# Altium PCB DevKITV3.PcbDoc (part 1 of 5) (continued)
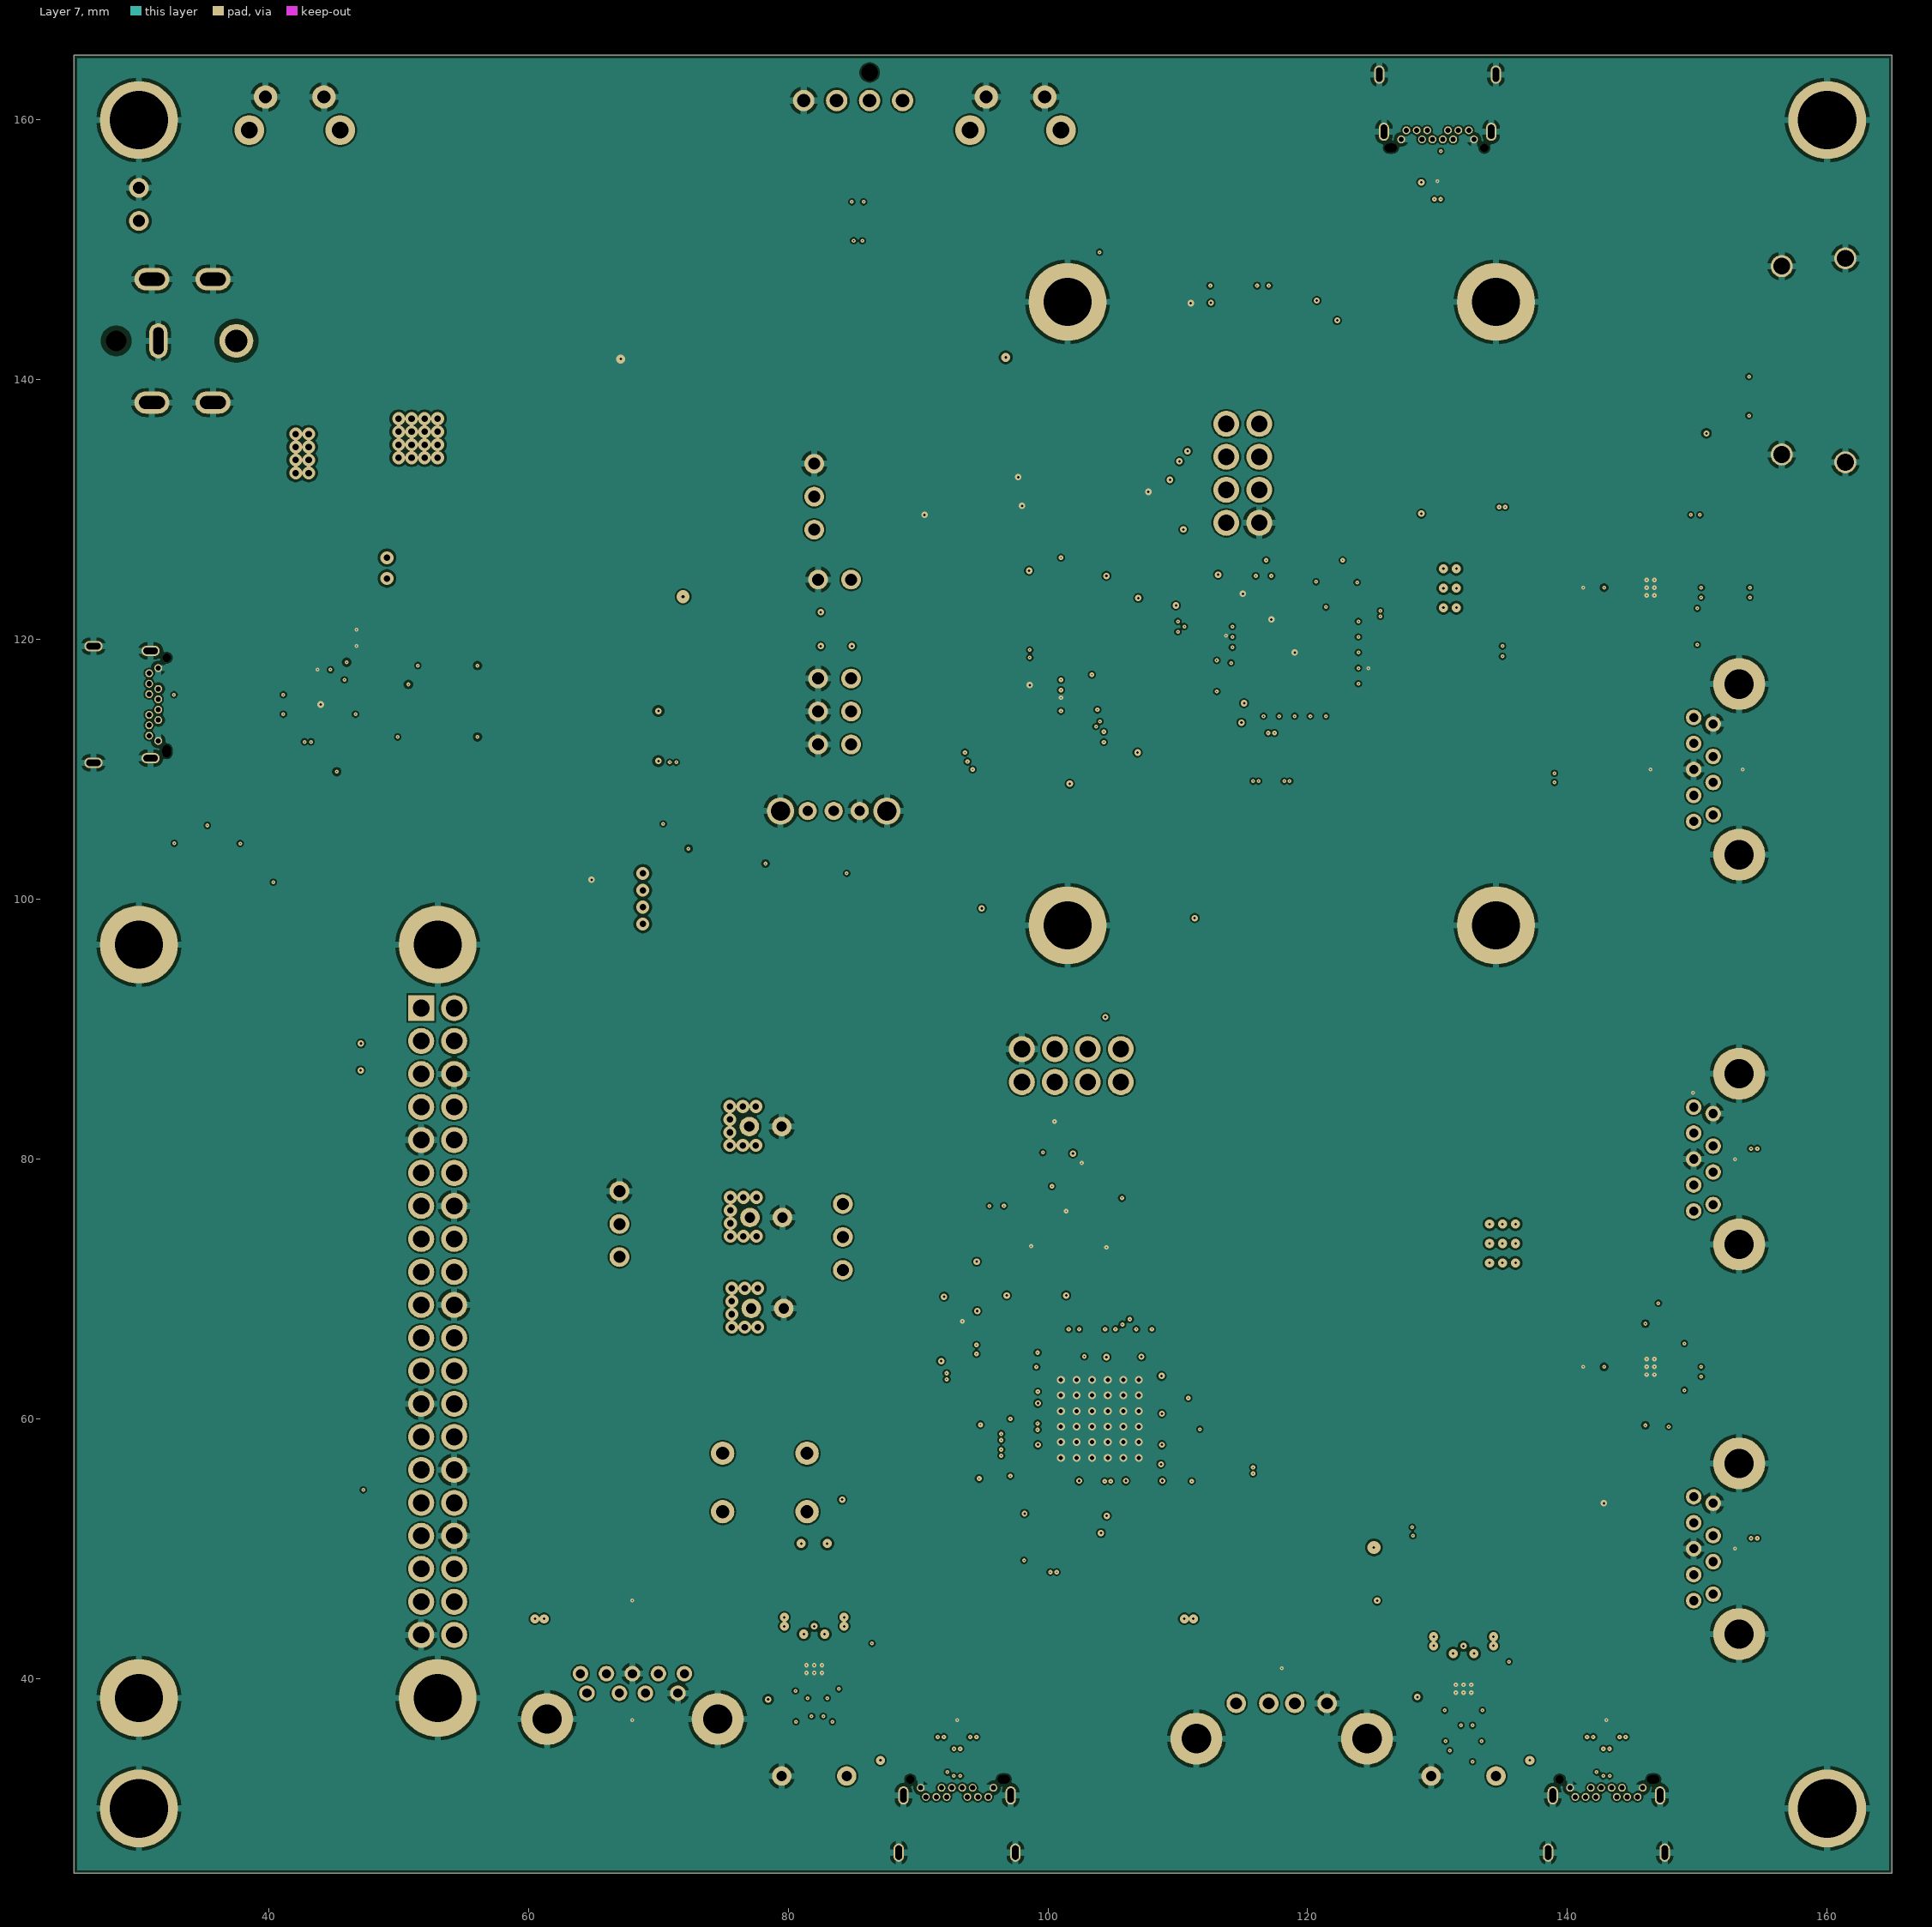
[diagram p7: Layer 7]

## Layer stack, top to bottom
Top Solder: solder mask 0.0102, Solder Resist, Dk 3.5
Top Layer: signal copper 0.035
Dielectric 1: prepreg 0.1168, PP-016, Dk 4.4
Layer 2: signal copper 0.035
Dielectric 2: prepreg 0.1168, PP-016, Dk 4.4
Layer 3: signal copper 0.035
Dielectric 3.1: prepreg 0.1803, PP-021, Dk 4.7
Dielectric 3.2: prepreg 0.0711, PP-006, Dk 4.1
Layer 4: signal copper 0.035
Dielectric 4: core 0.2286, Core-027, Dk 4.5
Layer 5: signal copper 0.035
Dielectric 5.1: prepreg 0.0711, PP-006, Dk 4.1
Dielectric 5.2: prepreg 0.1803, PP-021, Dk 4.7
Layer 6: signal copper 0.035
Dielectric 6: prepreg 0.1168, PP-016, Dk 4.4
Layer 7: signal copper 0.035
Dielectric 7: prepreg 0.1168, PP-016, Dk 4.4
Bottom Layer: signal copper 0.035
Bottom Solder: solder mask 0.0102, Solder Resist, Dk 3.5

## Board outline
25,25 165,25 165,165 25,165

## Design rules (kind name [scope] priority, off if disabled: settings)
BoardOutlineClearance BoardOutlineClearanceText [OnLayer('Top Overlay')   or        OnLayer('Bottom Overlay')] p1: gap=0 ignorepadtopadclearanceinfootprint=FALSE
BoardOutlineClearance [All] p2: gap=0.254 ignorepadtopadclearanceinfootprint=FALSE
Clearance Clearance_NPTH [Hole  and InComponent('J101')] p1: gap=0.381 ignorepadtopadclearanceinfootprint=FALSE
Clearance Clearance_DiffPair_OL [(InDifferentialPairClass('All Differential Pairs')) vs OnLayer('Top Layer')   or OnLayer('Bottom Layer')] p2: gap=0.1 ignorepadtopadclearanceinfootprint=TRUE except(0: Arc-Text Track-Text SMDPad-Text THPad-Text Via-Text Fill-Text Poly-Text Region-Text Text-Text Text-Hole)
Clearance Clearance_HighPWR [InNet('VPWR')  or   InNet('VIN') or InNet('PWR') or InNet('CPWR')  or InNet('NetC144_1')] p3: gap=0.2 ignorepadtopadclearanceinfootprint=TRUE except(0: Arc-Text Track-Text SMDPad-Text THPad-Text Via-Text Fill-Text Poly-Text Region-Text Text-Text Text-Hole)
Clearance Clearance_MidPWR [InNet('+5VR') or InNet('+5VU')  or InNet('NetC135_2') or InNet('PHASE')] p4: gap=0.175 ignorepadtopadclearanceinfootprint=TRUE except(0: Arc-Text Track-Text SMDPad-Text THPad-Text Via-Text Fill-Text Poly-Text Region-Text Text-Text Text-Hole)
Clearance Clearance_LowPWR [InNet('NetC104_1')] p5: gap=0.15 ignorepadtopadclearanceinfootprint=TRUE except(0: Arc-Text Track-Text SMDPad-Text THPad-Text Via-Text Fill-Text Poly-Text Region-Text Text-Text Text-Hole)
Clearance Clearance_DiffPair_IL [(InDifferentialPairClass('All Differential Pairs'))] p6: gap=0.125 ignorepadtopadclearanceinfootprint=TRUE except(0: Arc-Text Track-Text SMDPad-Text THPad-Text Via-Text Fill-Text Poly-Text Region-Text Text-Text Text-Hole)
Clearance Clearance_DiffNets_OL [All vs OnLayer('Top Layer')   or OnLayer('Bottom Layer')] p7: gap=0.1 ignorepadtopadclearanceinfootprint=TRUE except(0: Arc-Text Track-Text SMDPad-Text THPad-Text Via-Text Fill-Text Poly-Text Region-Text Text-Text Text-Hole)
Clearance Clearance_DiffNets_IL [All] p8: gap=0.125 ignorepadtopadclearanceinfootprint=TRUE except(0: Arc-Text Track-Text SMDPad-Text THPad-Text Via-Text Fill-Text Poly-Text Region-Text Text-Text Text-Hole; 0.1: Via-Via)
Clearance Clearance_SameNets [All] p9: gap=0 ignorepadtopadclearanceinfootprint=FALSE
ComponentClearance [All] p1: gap=0.254 collisioncheckmode=3 verticalgap=0 showdistances=FALSE
DiffPairsRouting DiffPairsRouting_HDMI [InDifferentialPairClass('HDMI')] p1: maxlimit=0.254 minlimit=0.126 mostfreqgap=1 toplayer_maxgap=0.126 toplayer_prefgap=0.126 toplayer_minwidth=0.125 toplayer_maxwidth=0.125 toplayer_prefwidth=0.125 bottomlayer_maxgap=0.126 bottomlayer_prefgap=0.126 bottomlayer_minwidth=0.125 bottomlayer_maxwidth=0.125 bottomlayer_prefwidth=0.125 impedanceprofiledriven=TRUE impedanceprofileid={F2FEA9BF-F35E-4390-93C6-05C5140E1103} impedanceprofilevalue=100.000000 maxuncoupledlength=12.7
DiffPairsRouting DiffPairsRouting_USB3 [InDifferentialPairClass('USB3')] p2: maxlimit=0.25 minlimit=0.176 mostfreqgap=0.185 toplayer_maxgap=0.176 toplayer_prefgap=0.176 toplayer_minwidth=0.176 toplayer_maxwidth=0.176 toplayer_prefwidth=0.176 midlayer2_mingap=0.25 midlayer2_prefgap=0.25 midlayer2_minwidth=0.125 midlayer2_maxwidth=0.125 midlayer2_prefwidth=0.125 midlayer5_mingap=0.25 midlayer5_prefgap=0.25 midlayer5_minwidth=0.125 midlayer5_maxwidth=0.125 midlayer5_prefwidth=0.125 bottomlayer_maxgap=0.176 bottomlayer_prefgap=0.176 bottomlayer_minwidth=0.176 bottomlayer_maxwidth=0.176 bottomlayer_prefwidth=0.176 impedanceprofiledriven=TRUE impedanceprofileid={B3B8C1AD-B239-4F7E-996D-42EAAA4B1701} impedanceprofilevalue=90.000000 maxuncoupledlength=12.7
DiffPairsRouting DiffPairsRouting_PCIE [InDifferentialPairClass('PCIE')] p3: maxlimit=0.215 minlimit=0.127 mostfreqgap=0.185 toplayer_maxgap=0.127 toplayer_prefgap=0.127 toplayer_minwidth=0.182 toplayer_maxwidth=0.182 toplayer_prefwidth=0.182 midlayer2_mingap=0.215 midlayer2_prefgap=0.215 midlayer2_minwidth=0.125 midlayer2_maxwidth=0.125 midlayer2_prefwidth=0.125 midlayer5_mingap=0.215 midlayer5_prefgap=0.215 midlayer5_minwidth=0.125 midlayer5_maxwidth=0.125 midlayer5_prefwidth=0.125 bottomlayer_maxgap=0.127 bottomlayer_prefgap=0.127 bottomlayer_minwidth=0.182 bottomlayer_maxwidth=0.182 bottomlayer_prefwidth=0.182 impedanceprofiledriven=TRUE impedanceprofileid={C62AA4AC-5A6E-4618-9FA9-855297FF20FA} impedanceprofilevalue=85.000000 maxuncoupledlength=12.7
Height [All] p1: minheight=0 maxheight=100 prefheight=12.7
HoleSize [All] p1: absolutevalues=TRUE maxlimit=20 minlimit=0.1 maxpercent=80.000 minpercent=20.000
HoleToHoleClearance [All] p1: gap=0.127 allowstackedmicrovias=TRUE
MatchedLengths USB_USB7252C-CO304 [InxSignalClass('USB_CHCO304_1_DL')] p1: tolerance=1.27 checknetsindiffpair=FALSE checkdiffpairvsdiffpair=TRUE checkxsignals=TRUE checkothers=TRUE
MatchedLengths USB_USB7252C-CO303 [InxSignalClass('USB_CHCO303_1_DL_1') OR InxSignalClass('USB_CHCO303_1_RX_1') OR InxSignalClass('USB_CHCO303_1_TX_1')] p2: tolerance=1.27 checknetsindiffpair=FALSE checkdiffpairvsdiffpair=TRUE checkxsignals=TRUE checkothers=TRUE
MatchedLengths USB_USB7252C-CO302 [InxSignalClass('USB_CHCO302_1_DL_1') OR InxSignalClass('USB_CHCO302_1_RX_1') OR InxSignalClass('USB_CHCO302_1_TX_1') OR InxSignalClass('USB_CHCO302_2_RX_1') OR InxSignalClass('USB_CHCO302_2_TX_1')] p3: tolerance=1.27 checknetsindiffpair=FALSE checkdiffpairvsdiffpair=TRUE checkxsignals=TRUE checkothers=TRUE
MatchedLengths USB_USB7252C-CO301 [InxSignalClass('USB_CHCO301_1_DL_2') OR InxSignalClass('USB_CHCO301_1_RX_2') OR InxSignalClass('USB_CHCO301_1_TX_2') OR InxSignalClass('USB_CHCO301_2_RX_1') OR InxSignalClass('USB_CHCO301_2_TX_1')] p4: tolerance=1.27 checknetsindiffpair=FALSE checkdiffpairvsdiffpair=TRUE checkxsignals=TRUE checkothers=TRUE
MatchedLengths USB_VL805-CO702 [InxSignalClass('USB_CHCO702_1_DL_1') OR InxSignalClass('USB_CHCO702_1_RX_1') OR InxSignalClass('USB_CHCO702_1_TX_1')] p5: tolerance=1.27 checknetsindiffpair=FALSE checkdiffpairvsdiffpair=TRUE checkxsignals=TRUE checkothers=TRUE
MatchedLengths USB_VL805-CO701 [InxSignalClass('USB_CHCO701_1_DL_1') OR InxSignalClass('USB_CHCO701_1_RX_1') OR InxSignalClass('USB_CHCO701_1_TX_1')] p6: tolerance=1.27 checknetsindiffpair=FALSE checkdiffpairvsdiffpair=TRUE checkxsignals=TRUE checkothers=TRUE
MatchedLengths USB_VL805-USB7252C [InxSignalClass('USB_CHIC203_1_DL_2') OR InxSignalClass('USB_CHIC203_1_RX_2') OR InxSignalClass('USB_CHIC203_1_TX_2')] p7: tolerance=1.27 checknetsindiffpair=FALSE checkdiffpairvsdiffpair=TRUE checkxsignals=TRUE checkothers=TRUE
MatchedLengths MatchLengths_xSignals_PCIe [InxSignalClass('xSignals_MO502_IC601_MatchLengthsClass_1')] p8: tolerance=0.127 checknetsindiffpair=FALSE checkdiffpairvsdiffpair=TRUE checkxsignals=TRUE checkothers=TRUE
MatchedLengths MatchedLengthsHDMI [InDifferentialPairClass('HDMI')] p9: tolerance=0.127 checknetsindiffpair=TRUE checkdiffpairvsdiffpair=FALSE checkxsignals=FALSE checkothers=FALSE
MatchedLengths MatchedLengthsPCIe [InDifferentialPairClass('PCIE')] p10: tolerance=0.127 checknetsindiffpair=TRUE checkdiffpairvsdiffpair=FALSE checkxsignals=FALSE checkothers=FALSE
MatchedLengths MatchedLengthsHDMI_FULL [InDifferentialPairClass('HDMI')] p11: tolerance=1.27 checknetsindiffpair=FALSE checkdiffpairvsdiffpair=TRUE checkxsignals=TRUE checkothers=TRUE
MatchedLengths MatchedLengthsSD_CM4 [InNetClass('SD_CM4')] p12: tolerance=1.27 checknetsindiffpair=FALSE checkdiffpairvsdiffpair=TRUE checkxsignals=TRUE checkothers=TRUE
MatchedLengths MatchedLengthsI2C_Zero [InNetClass('I2C_0')] p13: tolerance=0.127 checknetsindiffpair=FALSE checkdiffpairvsdiffpair=TRUE checkxsignals=TRUE checkothers=TRUE
MatchedLengths MatchedLengthsI2C_CM4 [InNetClass('I2C_CM4')] p14: tolerance=0.127 checknetsindiffpair=FALSE checkdiffpairvsdiffpair=TRUE checkxsignals=TRUE checkothers=TRUE
MatchedLengths MatchedLengthsI2C_COM [InNetClass('I2C_COM')] p15: tolerance=0.127 checknetsindiffpair=FALSE checkdiffpairvsdiffpair=TRUE checkxsignals=TRUE checkothers=TRUE
MatchedLengths MatchedLengthsSPI_VL805 [InNetClass('SPI_VL805')] p16: tolerance=0.127 checknetsindiffpair=FALSE checkdiffpairvsdiffpair=TRUE checkxsignals=TRUE checkothers=TRUE
MatchedLengths MatchedLengthsSPI_USB7252C [InNetClass('SPI_USB7252C')] p17: tolerance=0.127 checknetsindiffpair=FALSE checkdiffpairvsdiffpair=TRUE checkxsignals=TRUE checkothers=TRUE
MatchedLengths MatchedLengthsUART_0 [InNetClass('UART_0')] p18: tolerance=0.127 checknetsindiffpair=FALSE checkdiffpairvsdiffpair=TRUE checkxsignals=TRUE checkothers=TRUE
MatchedLengths MatchedLengthsUART_CM4 [InNetClass('UART_CM4')] p19: tolerance=0.127 checknetsindiffpair=FALSE checkdiffpairvsdiffpair=TRUE checkxsignals=TRUE checkothers=TRUE
MatchedLengths MatchedLengthsUSB3 [InDifferentialPairClass('USB3')] p20: tolerance=0.127 checknetsindiffpair=TRUE checkdiffpairvsdiffpair=FALSE checkxsignals=FALSE checkothers=FALSE
MinimumAnnularRing [All] p1: minimumring=0.1
MinimumSolderMaskSliver [All] p1: minsoldermaskwidth=0
PolygonConnect PolygonConnect_GND [InNet('GND')] p1: thpad.connectstyle=Relief thpad.reliefconductorwidth=0.5 thpad.reliefentries=4 thpad.polygonreliefangle="90 Angle" thpad.airgapwidth=0.254 smdpad.connectstyle=Relief smdpad.reliefconductorwidth=0.127 smdpad.reliefentries=4 smdpad.polygonreliefangle="90 Angle" smdpad.airgapwidth=0.127 via.connectstyle=Direct via.reliefconductorwidth=2 via.reliefentries=4 via.polygonreliefangle="90 Angle" via.airgapwidth=0
PolygonConnect PolygonConnect_HighPWR [InNet('VPWR')  or   InNet('VIN') or InNet('PWR') or InNet('+12V') or InNet('CPWR') or InNet('NetD101_K')] p2: thpad.connectstyle=Relief thpad.reliefconductorwidth=1.5 thpad.reliefentries=4 thpad.polygonreliefangle="90 Angle" thpad.airgapwidth=0.254 smdpad.connectstyle=Relief smdpad.reliefconductorwidth=0.3 smdpad.reliefentries=4 smdpad.polygonreliefangle="90 Angle" smdpad.airgapwidth=0.075 via.connectstyle=Direct via.reliefconductorwidth=2 via.reliefentries=4 via.polygonreliefangle="90 Angle" via.airgapwidth=0
PolygonConnect PolygonConnect_PHASE [InNet('PHASE')] p3: thpad.connectstyle=Relief thpad.reliefconductorwidth=1.5 thpad.reliefentries=4 thpad.polygonreliefangle="90 Angle" thpad.airgapwidth=0.254 smdpad.connectstyle=Relief smdpad.reliefconductorwidth=0.3 smdpad.reliefentries=4 smdpad.polygonreliefangle="90 Angle" smdpad.airgapwidth=0.05 via.connectstyle=Direct via.reliefconductorwidth=2 via.reliefentries=4 via.polygonreliefangle="90 Angle" via.airgapwidth=0
PolygonConnect PolygonConnect_MidPWR [InNet('+5V') or InNet('+5VF') or InNet('+5VP') or InNet('+5VR') or InNet('+5VU')] p4: thpad.connectstyle=Relief thpad.reliefconductorwidth=0.5 thpad.reliefentries=4 thpad.polygonreliefangle="90 Angle" thpad.airgapwidth=0.125 smdpad.connectstyle=Relief smdpad.reliefconductorwidth=0.25 smdpad.reliefentries=4 smdpad.polygonreliefangle="90 Angle" smdpad.airgapwidth=0.075 via.connectstyle=Direct via.reliefconductorwidth=0.35 via.reliefentries=4 via.polygonreliefangle="90 Angle" via.airgapwidth=0.15
PolygonConnect PolygonConnect_USB-cPWR [InNet('USBF1_5V') or InNet('USBF2_5V') or InNet('USBF3_5V') or InNet('USBF4_5V')] p5: thpad.connectstyle=Relief thpad.reliefconductorwidth=0.3 thpad.reliefentries=4 thpad.polygonreliefangle="90 Angle" thpad.airgapwidth=0.1 smdpad.connectstyle=Relief smdpad.reliefconductorwidth=0.2 smdpad.reliefentries=4 smdpad.polygonreliefangle="90 Angle" smdpad.airgapwidth=0.05 via.connectstyle=Direct via.reliefconductorwidth=0.35 via.reliefentries=4 via.polygonreliefangle="90 Angle" via.airgapwidth=0.15
PolygonConnect PolygonConnect_LowPWR [InNet('NetC104_1')  or InNet('+3V3') or InNet('+3V3C') or InNet('+3V3R')] p6: thpad.connectstyle=Relief thpad.reliefconductorwidth=0.5 thpad.reliefentries=4 thpad.polygonreliefangle="90 Angle" thpad.airgapwidth=0.254 smdpad.connectstyle=Relief smdpad.reliefconductorwidth=0.25 smdpad.reliefentries=4 smdpad.polygonreliefangle="90 Angle" smdpad.airgapwidth=0.05 via.connectstyle=Direct via.reliefconductorwidth=0.5 via.reliefentries=4 via.polygonreliefangle="90 Angle" via.airgapwidth=0.254
PolygonConnect PolygonConnect_UltraLowPWR [InNet('+1V05') or InNet('+1V1')] p7: thpad.connectstyle=Relief thpad.reliefconductorwidth=0.5 thpad.reliefentries=4 thpad.polygonreliefangle="90 Angle" thpad.airgapwidth=0.254 smdpad.connectstyle=Direct smdpad.reliefconductorwidth=0.25 smdpad.reliefentries=4 smdpad.polygonreliefangle="90 Angle" smdpad.airgapwidth=0.1 via.connectstyle=Direct via.reliefconductorwidth=0.5 via.reliefentries=4 via.polygonreliefangle="90 Angle" via.airgapwidth=0.254
PolygonConnect [All] p8: connectstyle=Relief reliefconductorwidth=0.254 reliefentries=4 polygonreliefangle="90 Angle" airgapwidth=0.254
RoutingPriority RoutingPriority_PCIe [InDifferentialPairClass('PCIE')] p1: routingpriority=0
RoutingPriority RoutingPriority_USB [InDifferentialPairClass('USB3')] p2: routingpriority=1
RoutingPriority RoutingPriority_HDMI [InDifferentialPairClass('HDMI')] p3: routingpriority=2
RoutingPriority [All] p4: routingpriority=4
RoutingVias RoutingVias_DiffPair [InDifferentialPairClass('All Differential Pairs')] p1: holewidth=0.1 width=0.3 viastyle="Through Hole" minholewidth=0.1 minwidth=0.3 maxholewidth=0.65 maxwidth=1.2
RoutingVias [All] p2: holewidth=0.2 width=0.45 viastyle="Through Hole" minholewidth=0.1 minwidth=0.3 maxholewidth=6.3 maxwidth=6.9
SilkToSilkClearance [All] p1: silktosilkclearance=0
SilkToSolderMaskClearance [IsPad] p1: minsilkscreentomaskgap=0 clearancetoexposedcopper=TRUE
SolderMaskExpansion [All] p1: expansion=0.102 istentingtop=FALSE
UnRoutedNet [All] p1: checkbadconnections=TRUE
Width Width_VIN [InNet('VIN')] p1: maxlimit=2 minlimit=0.75 preferedwidth=1
Width Width_VPWR [InNet('VPWR')] p2: maxlimit=2 minlimit=0.3 preferedwidth=0.7
Width [All] p3: maxlimit=20 minlimit=0.125 preferedwidth=0.127
20 further rules are at their usual default settings.

## Classes and differential pairs
net class I2C_COM: NetR503_2 NetR507_2
net class SPI_USB7252C: SPI_CLK_U7252 SPI_MISO_U7252 SPI_MOSI_U7252
net class UART_CM4: CM4_RXD0 CM4_TXD0
net class UART_0: 0_RXD0 0_TXD0
net class SPI_VL805: PCIe_SPI_CS PCIe_SPI_SCK PCIe_SPI_SI PCIe_SPI_SO
net class I2C_CM4: I2C0_SCL_CM4 I2C0_SDA_CM4
component class "USB-C expansion ports": C301 C302 C303 C304 CO301 CO302 CO303 CO304 D301 D302 D303 D304 D305 D306 D307 D308 D309
differential pair class PCIE: PCIe_CLK PCIe_RX PCIe_TX PCIe_XCLK PCIe_XRX PCIe_XTX
component class "PCI-e USB ports": C701 C702 C703 CO701 CO702 CO703 D701 D702 D703 D704 D705 D706
component class "PCI-e USB Chip": C601 C602 C603 C604 C605 C606 C607 C608 C609 C610 C611 C612 C613 C614 C615 C616 C617 C618 C619 C620 C621 C622 C623 C624 C625 C626 C627 C628 C629 C630 C631 C632 C633 C634 C635 C636 C637 C638 C639 C640 C641 D601 IC601 IC602 IC603 IC604 J601 R601 R602 R603 R604 R605 R606 R607 R608 R609 R610 R611 R612 R613 R614 R615 R616 R617 R618 R619 R620 R621 R622 R623 R624 R625 R626 X601
net class I2C_0: I2C0_SCL_Zero I2C0_SDA_Zero
net class SD_CM4: SD_CLK SD_CMD SD_DAT0 SD_DAT1 SD_DAT2 SD_DAT3
component class Power: C101 C102 C103 C104 C105 C106 C107 C108 C109 C110 C111 C112 C113 C114 C115 C116 C117 C118 C119 C120 C121 C122 C123 C124 C125 C126 C127 C128 C129 C130 C131 C132 C133 C134 C135 C136 C137 C138 C139 C140 C141 C142 C143 C144 C145 C151 C152 C153 C154 C155 C156 C157 CO101 D101 D102 D103 D104 D105 D106 D107 D108 F101 IC101 IC102 IC103 IC104 IC105 IC106 J101 J102 J103 L101 L102 L103 L104 L105 R101 R102 R103 R104 R105 R106 R107 R108 R109 R110 R111 R112 R113 R114 R115 R116 R117 R118 R119 R120 R121 R122 R123 R124 R125 R126 R127 R129 R130 R131 R132 TP_+1V1 TP_+1V05 TP_+3V3 TP_+5VR TP_+5VU TP_CPWR TP_GND TP_VIN TP_VPWR TR101 TR102 TR103 TR104
component class 001_OverViewDevKIT: 1 Fid1 Fid2 Fid3 Fid4 Fid5 Fid6 Fid7 Fid8 H1 H2 H3 H4 "Logo FxLand1"
differential pair class USB3: USB USB2D1 USB2D2 USB2D3 USB2D4 USB3RX1 USB3RX2 USB3RX3 USB3RX4 USB3TX1 USB3TX2 USB3TX3 USB3TX4 USB3XRX1 USB3XTX1 USB3XTX2 USB3XTX3 USB3XTX4 USBF0 USBF0_RX USBF0_TX USBF0_XTX USBF1 USBF1_RX USBF1_RX1 USBF1_RX2 USBF1_TX USBF1_TX1 USBF1_TX2 USBF1_XTX USBF1_XTX1 USBF1_XTX2 USBF2 USBF2_RX USBF2_RX1 USBF2_RX2 USBF2_TX USBF2_TX1 USBF2_TX2 USBF2_XTX USBF2_XTX1 USBF2_XTX2 USBF3 USBF3_RX USBF3_TX USBF3_XTX USBF4
differential pair class HDMI: CK TD0 TD1 TD2
component class "USB-C Control": C201 C202 C203 C204 C205 C206 C207 C208 C209 C210 C211 C212 C213 C214 C215 C216 C217 C218 C219 C220 C221 C222 C223 C224 C225 C226 C227 C228 C229 C230 C231 C232 C233 C234 C235 C236 C237 C238 C239 C240 C241 C242 C243 C244 C245 C246 C247 C248 C249 C250 C251 C252 C253 C254 C255 C256 C257 C258 C259 C260 C261 C262 D201 IC201 IC202 IC203 IC204 IC205 J201 J202 R201 R202 R203 R204 R205 R206 R209 R210 R211 R212 R213 R214 R215 R216 R217 R218 R219 R220 R221 R222 R223 R224 R225 R226 R227 R228 R229 R230 R231 R232 R233 R234 R235 R236 R237 R238 R239 R240 R241 R242 R243 R244 R245 R246 R247 R248 R249 R250 R251 SW201 X201
component class "Raspberry Pi Zero W": C401 C402 C403 C404 C405 C406 J401 J402 MO401 MO402 MO403 MO404 MO405 MO406 R401 R402 R403 R404 R405 R406 SW401
component class "Raspberry Pi CM4": C501 C502 C503 C504 C505 C506 C507 C508 C509 C510 C511 C512 CO501 CO502 CO503 D501 D502 D503 D504 D505 IC501 IC502 IC503 IC504 J502 J504 J505 J507 J508 J509 MO501 MO502 MO503 MO504 MO505 MO506 MO507 R501 R502 R503 R504 R505 R506 R507 R508 R509 R510 R511 R512 R513 R514 R515 R516 R517 R518 R519 R520 SW503 SW504
differential pair PCIe_XCLK: +PCIe_XCLK_P -PCIe_XCLK_N
differential pair USBF4: +USBF4_P -USBF4_N
differential pair USBF3: +USBF3_P -USBF3_N
differential pair USBF3_XTX: +USBF3_XTX_P -USBF3_XTX_N
differential pair USBF3_TX: +USBF3_TX_P -USBF3_TX_N
differential pair USBF3_RX: +USBF3_RX_P -USBF3_RX_N
differential pair USBF2_XTX2: +USBF2_XTX2_P -USBF2_XTX2_N
differential pair USBF2_XTX1: +USBF2_XTX1_P -USBF2_XTX1_N
differential pair USBF2_TX2: +USBF2_TX2_P -USBF2_TX2_N
differential pair USBF2_TX1: +USBF2_TX1_P -USBF2_TX1_N
differential pair USBF2_RX2: +USBF2_RX2_P -USBF2_RX2_N
differential pair USBF2_RX1: +USBF2_RX1_P -USBF2_RX1_N
differential pair USBF1_XTX2: +USBF1_XTX2_P -USBF1_XTX2_N
differential pair USBF1_XTX1: +USBF1_XTX1_P -USBF1_XTX1_N
differential pair USBF1_TX2: +USBF1_TX2_P -USBF1_TX2_N
differential pair USBF1_TX1: +USBF1_TX1_P -USBF1_TX1_N
differential pair USBF1_RX2: +USBF1_RX2_P -USBF1_RX2_N
differential pair USBF1_RX1: +USBF1_RX1_P -USBF1_RX1_N
differential pair USB3XRX1: +USB3XRX1_P -USB3XRX1_N
differential pair USB3XTX4: +USB3XTX4_P -USB3XTX4_N
differential pair USB3XTX3: +USB3XTX3_P -USB3XTX3_N
differential pair USB3XTX2: +USB3XTX2_P -USB3XTX2_N
differential pair USB3XTX1: +USB3XTX1_P -USB3XTX1_N
differential pair USB3TX4: +USB3TX4_P -USB3TX4_N
differential pair USB3TX3: +USB3TX3_P -USB3TX3_N
differential pair USB3TX2: +USB3TX2_P -USB3TX2_N
differential pair USB3TX1: +USB3TX1_P -USB3TX1_N
differential pair USB3RX4: +USB3RX4_P -USB3RX4_N
differential pair USB3RX3: +USB3RX3_P -USB3RX3_N
differential pair USB3RX2: +USB3RX2_P -USB3RX2_N
differential pair USB3RX1: +USB3RX1_P -USB3RX1_N
differential pair USB2D4: +USB2D4_P -USB2D4_N
differential pair USB2D3: +USB2D3_P -USB2D3_N
differential pair USB2D2: +USB2D2_P -USB2D2_N
differential pair USB2D1: +USB2D1_P -USB2D1_N
differential pair PCIe_XRX: +PCIe_XRX_P -PCIe_XRX_N
differential pair PCIe_TX: +PCIe_TX_P -PCIe_TX_N
differential pair PCIe_RX: +PCIe_RX_P -PCIe_RX_N
differential pair PCIe_CLK: +PCIe_CLK_P -PCIe_CLK_N
differential pair USB: +USB_P -USB_N
differential pair USBF2: +USBF2_P -USBF2_N
differential pair USBF1: +USBF1_P -USBF1_N